# Altium PCB MT-PowerDispatch V1.0.0.PcbDoc (part 1 of 4)
Units mm, origin at the board's own origin, x right, y up, seen from the top; angles counter-clockwise.
Board outline 253.09 x 135 mm, 2 copper layers (Top Layer, Bottom Layer); 539 components, 347 nets, 1633 pads, 620 vias.
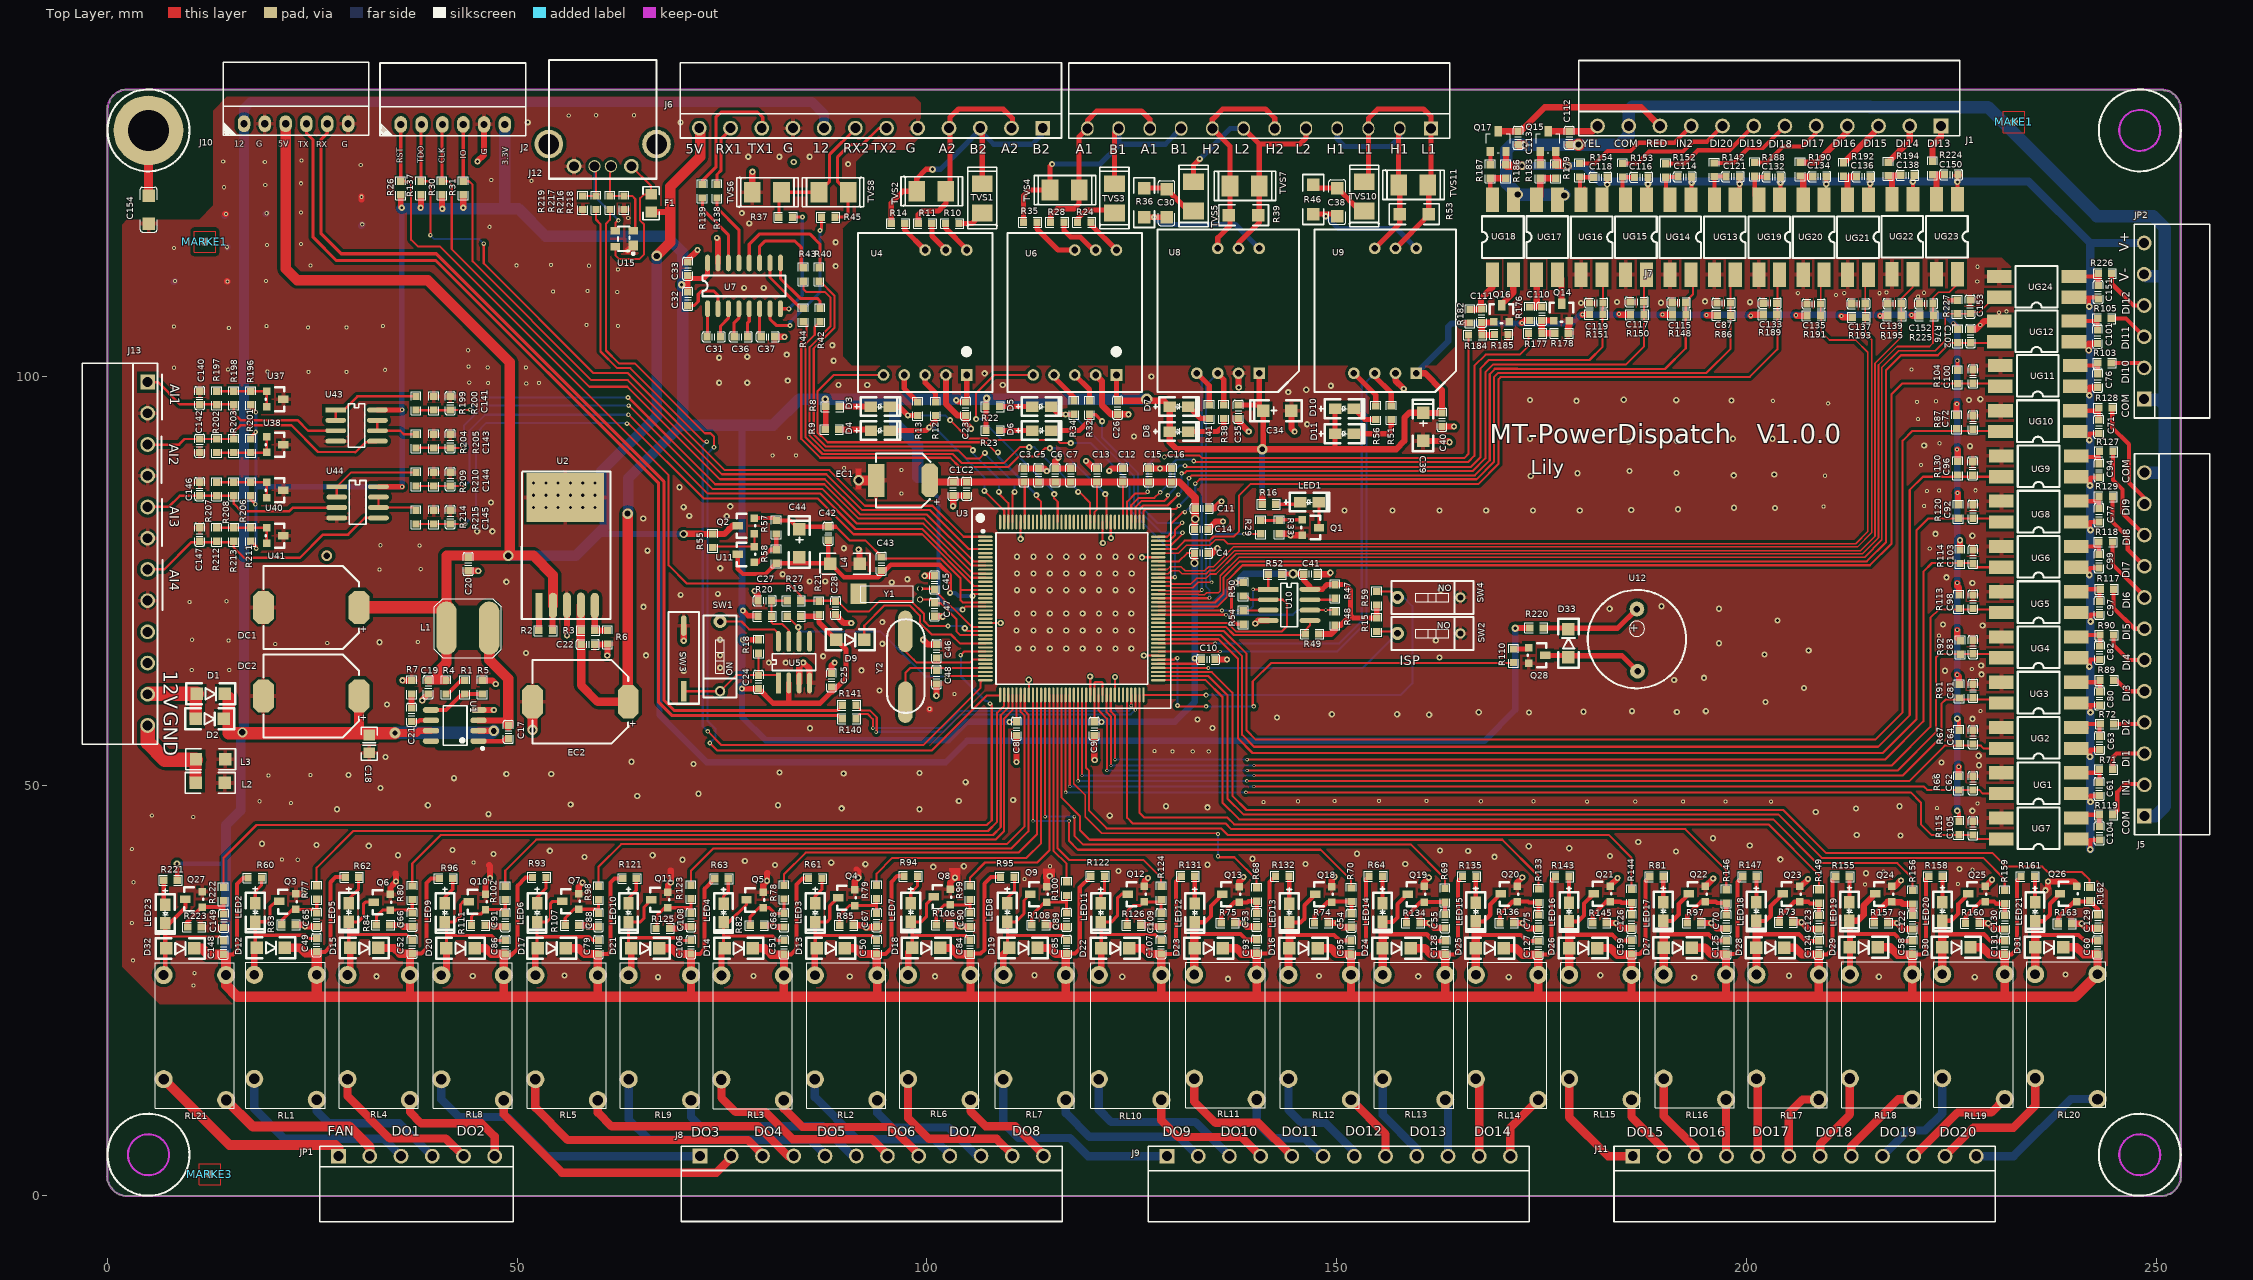
[diagram p0: Top Layer view]
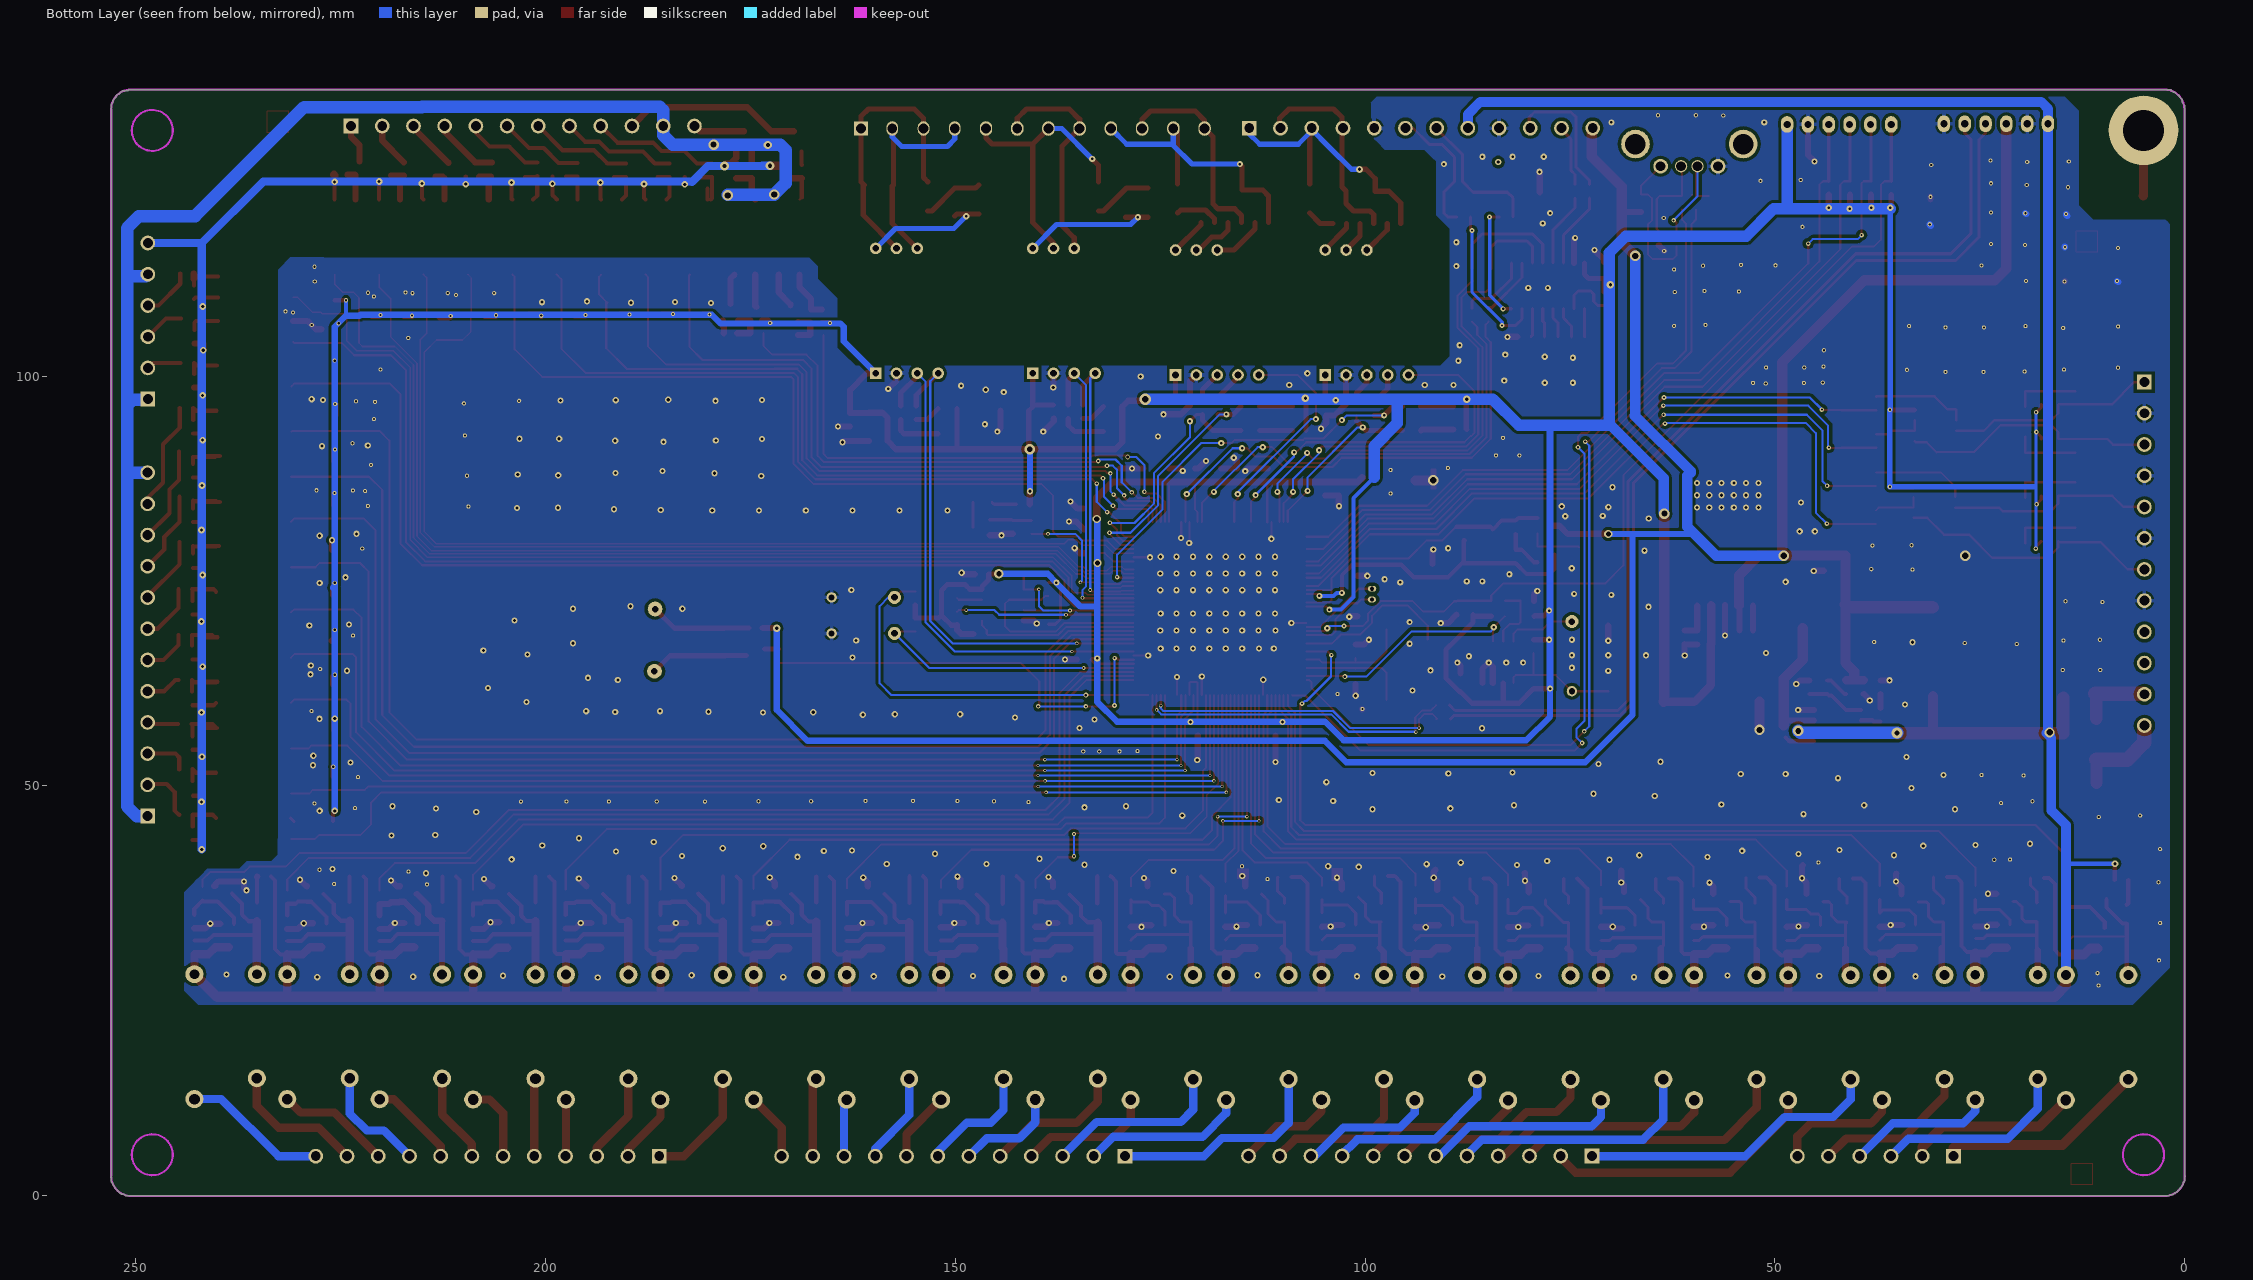
[diagram p1: Bottom Layer view, seen from below]

## Layer stack, top to bottom
Top Layer: signal copper 0.0356
Dielectric: dielectric 0.32, FR-4, Dk 4.8
Bottom Layer: signal copper 0.0356

## Board outline
2.413,134.976 2.159,134.976 2.108,134.925 2.083,134.95 2.007,134.95 1.676,134.95 1.549,134.823 1.397,134.671 1.219,134.671 1.194,134.671 0.965,134.442 0.813,134.29 0.66,134.29 0.66,134.137 0.508,133.985 0.254,133.731 0.254,133.655 0.254,133.35 0.076,133.172 0,133.096 0,132.588 0,132.004 -0.025,131.978 0,131.953 0,120.421 0,2.413 0,2.032 0,1.753 0.076,1.676 0.178,1.575 0.178,1.473 0.178,1.321 0.254,1.245 0.33,1.168 0.33,1.118 0.483,0.965 0.61,0.838 0.61,0.762 0.635,0.762 0.838,0.559 1.016,0.381 1.143,0.381 1.27,0.254 1.397,0.127 1.549,0.127 1.753,0.127 1.829,0.051 1.905,-0.025 2.134,-0.025 2.413,-0.025 4.166,-0.025 250.584,-0.025 250.609,0 251.054,0 251.257,0 251.308,0.051 251.409,0.152 251.562,0.152 251.714,0.152 251.79,0.229 251.892,0.33 251.917,0.33 251.968,0.33 252.095,0.457 252.222,0.584 252.349,0.711 252.552,0.914 252.552,0.965 252.552,1.041 252.679,1.168 252.832,1.321 252.832,1.397 252.832,1.524 252.933,1.626 253.009,1.702 253.009,1.93 253.009,2.159 253.06,2.21 253.012,2.258 253.012,2.403 253.012,132.579 253,132.591 253.009,132.6 253.009,133.071 253.009,133.198 252.908,133.299 252.806,133.401 252.806,133.528 252.806,133.68 252.654,133.833 252.451,134.036 252.451,134.087 252.451,134.163 252.349,134.264 252.12,134.493 251.993,134.493 251.689,134.798 251.638,134.849 251.384,134.849 251.003,134.849 250.876,134.976 250.628,134.976 2.413,134.976

## Design rules (kind name [scope] priority, off if disabled: settings)
AssemblyTestPointUsage [All] p1 off:
AssemblyTestpoint [All] p1 off: testpointundercomponent=TRUE minsize=1.016 maxsize=2.54 preferedsize=1.524 minholesize=0 maxholesize=1.016 preferedholesize=0.813 testpointgrid=0.025 usegrid=TRUE gridtolerance=0 allowsidetop=TRUE allowsidebottom=TRUE
Clearance Clearance_1 [INPolygon] p1: gap=0.381
Clearance [All] p2: gap=0.152
ComponentClearance [All] p1 off: gap=0.254 collisioncheckmode=3 verticalgap=0.254 showdistances=FALSE
DiffPairsRouting [All] p1: maxlimit=2.54 minlimit=0.203 mostfreqgap=0.254 maxuncoupledlength=12.7
FabricationTestPointUsage [All] p1 off: valid=0 allowmultiple=FALSE
FabricationTestpoint [All] p1 off: side=3 testpointundercomponent=TRUE minsize=1.016 maxsize=2.54 preferedsize=1.524 minholesize=0 maxholesize=1.016 preferedholesize=0.813 testpointgrid=0.025 allowsidetop=TRUE allowsidebottom=TRUE usegrid=TRUE gridtolerance=0
Height [All] p1 off: minheight=0 maxheight=25.4 prefheight=12.7
HoleSize [All] p1 off: absolutevalues=TRUE maxlimit=2.54 minlimit=0.025 maxpercent=80.000 minpercent=20.000
HoleToHoleClearance [All] p1 off: gap=0.254 allowstackedmicrovias=TRUE
LayerPairs [All] p1 off: enforce=TRUE
MinimumSolderMaskSliver [All] p1 off: minsoldermaskwidth=0.254
NetAntennae [All] p1 off: netantennaetolerance=0
PlaneConnect [All] p1: planeconnectstyle=Direct reliefexpansion=0.508 reliefentries=4 reliefconductorwidth=0.254 reliefairgap=0.254
PolygonConnect [IsVia] p1: connectstyle=Direct reliefconductorwidth=0.254 reliefentries=4 polygonreliefangle="90 Angle" airgapwidth=0.254
PolygonConnect PolygonConnect_1 [All] p2: connectstyle=Relief reliefconductorwidth=0.508 reliefentries=4 polygonreliefangle="90 Angle" airgapwidth=0.254
RoutingVias [All] p1: holewidth=0.254 width=0.61 viastyle="Through Hole" minholewidth=0.203 minwidth=0.305 maxholewidth=1.27 maxwidth=2.032
SilkToSilkClearance [All] p1 off: silktosilkclearance=0.254
SilkToSolderMaskClearance [IsPad] p1 off: minsilkscreentomaskgap=0.254 clearancetoexposedcopper=TRUE
SolderMaskExpansion [All] p1: expansion=0.102
Width [All] p1: maxlimit=2.54 minlimit=0.127 preferedwidth=0.254
13 further rules are at their usual default settings.

## Components (designator, comment, footprint, x,y, rotation, side; value= is the part's Value field where it differs from the comment)
C1 "104" 0603C 103.206,86.265 r270 top
C2 "104" 0603C 104.857,86.265 r270 top
C3 "104" 0603C 111.842,87.916 r90 top
C4 "104" 0603C 133.483,78.41 r0 top
C5 "104" 0603C 113.62,87.916 r90 top
C6 "104" 0603C 115.652,87.916 r90 top
C7 "104" 0603C 117.557,87.916 r90 top
C8 "104" 0603C 110.927,56.998 r270 top
C9 "104" 0603C 120.427,56.998 r270 top
C10 "104" 0603C 134.321,65.437 r0 top
C11 "104" 0603C 133.559,83.852 r0 top
C12 "104" 0603C 123.907,87.916 r270 top
C13 "104" 0603C 120.732,87.916 r90 top
C14 "104" 0603C 133.483,81.331 r0 top
C15 "104" 0603C 127.082,87.916 r90 top
C16 "103" 0603C 129.876,87.916 r90 top
C17 "103" 0603C 48.926,56.598 r270 top
C18 "0.1uF" 0805C 31.928,54.077 r90 top
C19 "104" 0603C 39.147,62.059 r90 top
C20 "104" 0603C 44.024,77.089 r90 top
C21 "3.9nF" 0603C 37.115,58.693 r90 top
C22 "104" 0603C 58.629,67.259 r0 top
C23 "104" 0603C 104.73,96.044 r270 top
C24 "104" 0603C 79.457,62.702 r90 top
C25 "104" 0603C 88.347,62.897 r90 top
C26 "104" 0603C 123.272,96.171 r270 top
C27 "104" 0603C 80.219,72.608 r0 top
C28 "104" 0603C 88.855,71.719 r90 top
C30 "103/2KV/1206" 1206C 129.241,122.841 r270 top
C31 "0.1uF" 0603C 73.996,104.807 r180 top
C32 "0.1uF" 0603C 70.821,109.442 r90 top
C33 "1uF" 0603C 70.821,113.125 r270 top
C34 "10uF" CA1206 141.05,95.778 r180 top
C35 "104" 0603C 138.004,95.663 r270 top
C36 "0.1uF" 0603C 77.298,104.807 r180 top
C37 "0.1uF" 0603C 80.6,104.807 r180 top
C38 "103/2KV/1206" 1206C 150.069,119.539 r90 top
C39 "10uF/16V" CA1206 160.534,95.536 r90 top
C40 "0.1uF" 0603C 162.845,94.698 r90 top
C41 "104" 0603C 146.792,75.851 r0 top
C42 "104" 0603C 87.966,80.804 r270 top
C43 "104" 0603C 94.443,77.121 r270 top
C44 "10uF/16V" CA1206 84.398,81.314 r90 top
C45 "22P" 0603C 100.92,74.835 r90 top
C46 "22P" 0603C 101.174,66.453 r90 top
C47 "22P" 0603C 100.92,71.533 r270 top
C48 "22P" 0603C 101.174,63.278 r270 top
C49 "104" 0603C 25.507,30.582 r90 top
C50 "104" 0603C 93.859,30.334 r90 top
C51 "104" 0603C 82.556,30.309 r270 top
C52 "104" 0603C 37.191,30.36 r270 top
C53 "103" 0603C 140.239,33.655 r270 top
C54 "104" 0603C 151.796,33.579 r90 top
C55 "104" 0603C 163.226,33.503 r90 top
C58 "104" 0603C 220.249,30.277 r90 top
C59 "104" 0603C 185.984,30.328 r90 top
C60 "104" 0603C 242.855,30.302 r270 top
C61 "104" 0603C 243.053,49.632 r90 top
C62 "104" 0603C 227.66,50.343 r90 top
C63 "104" 0603C 243.103,55.245 r90 top
C64 "104" 0603C 227.66,55.956 r90 top
C65 "103" 0603C 25.533,33.687 r270 top
C66 "104" 0603C 37.191,33.662 r90 top
C67 "103" 0603C 93.859,33.636 r270 top
C68 "104" 0603C 82.556,33.611 r90 top
C70 "104" 0603C 197.541,33.426 r90 top
C71 "0.1uF" 0603C 243.002,93.828 r270 top
C72 "104" 0603C 227.66,94.361 r90 top
C75 "104" 0603C 174.631,33.426 r90 top
C76 "0.1uF" 0603C 242.875,99.466 r270 top
C77 "0.1uF" 0603C 243.027,83.033 r270 top
C79 "104" 0603C 59.924,30.334 r90 top
C80 "104" 0603C 243.103,60.681 r90 top
C81 "104" 0603C 227.66,61.595 r90 top
C82 "104" 0603C 243.103,66.269 r90 top
C83 "104" 0603C 227.66,66.954 r90 top
C84 "104" 0603C 105.263,30.36 r270 top
C85 "104" 0603C 117.049,30.36 r270 top
C86 "104" 0603C 48.545,30.334 r270 top
C87 "104" 0603C 197.231,108.941 r180 top
C88 "103" 0603C 59.924,33.636 r270 top
C89 "104" 0603C 117.049,33.662 r90 top
C90 "104" 0603C 105.263,33.662 r90 top
C91 "104" 0603C 48.545,33.636 r90 top
C92 "104" 0603C 227.66,83.49 r90 top
C93 "104" 0603C 140.239,30.404 r90 top
C94 "0.1uF" 0603C 243.027,88.494 r270 top
C95 "104" 0603C 151.745,30.302 r270 top
C96 "104" 0603C 227.609,88.748 r90 top
C97 "0.1uF" 0603C 243.078,71.73 r270 top
C98 "104" 0603C 227.66,72.492 r90 top
C99 "0.1uF" 0603C 243.027,77.419 r270 top
C100 "104" 0603C 227.66,99.974 r90 top
C101 "0.1uF" 0603C 242.849,104.826 r270 top
C102 "104" 0603C 227.355,104.902 r90 top
C103 "104" 0603C 227.66,77.959 r90 top
C104 "0.1uF" 0603C 243.078,44.221 r270 top
C105 "104" 0603C 227.66,44.831 r90 top
C106 "104" 0603C 71.202,30.334 r270 top
C107 "104" 0603C 128.58,30.334 r270 top
C108 "104" 0603C 71.202,33.636 r90 top
C109 "104" 0603C 128.58,33.636 r90 top
C110 "0.1uF" 0603C 175.037,107.62 r270 top
C111 "0.1uF" 0603C 167.691,107.391 r270 top
C112 "0.1uF" 0603C 178.39,129.083 r270 top
C113 "0.1uF" 0603C 172.141,129.083 r270 top
C114 "0.1uF" 0603C 192.487,124.333 r0 top
C115 "104" 0603C 191.77,108.966 r180 top
C116 "0.1uF" 0603C 187.173,124.282 r0 top
C117 "104" 0603C 186.639,109.068 r180 top
C118 "0.1uF" 0603C 182.194,124.282 r0 top
C119 "104" 0603C 181.686,108.941 r180 top
C121 "0.1uF" 0603C 198.349,124.358 r0 top
C122 "103" 0603C 220.274,33.376 r270 top
C123 "104" 0603C 208.844,33.376 r90 top
C124 "104" 0603C 208.844,30.277 r270 top
C125 "104" 0603C 197.541,30.302 r270 top
C126 "103" 0603C 185.984,33.452 r270 top
C127 "104" 0603C 174.605,30.251 r270 top
C128 "104" 0603C 163.251,30.277 r270 top
C129 "104" 0603C 242.88,33.452 r90 top
C130 "104" 0603C 231.527,33.376 r90 top
C131 "104" 0603C 231.527,30.277 r270 top
C132 "0.1uF" 0603C 203.327,124.333 r0 top
C133 "104" 0603C 202.87,108.915 r180 top
C134 "0.1uF" 0603C 208.915,124.358 r0 top
C135 "104" 0603C 208.229,108.814 r180 top
C136 "0.1uF" 0603C 214.274,124.358 r0 top
C137 "104" 0603C 213.69,108.839 r180 top
C138 "0.1uF" 0603C 219.659,124.511 r0 top
C139 "104" 0603C 218.084,108.864 r180 top
C140 "103" 0603C 11.252,97.342 r270 top
C141 "103" 0603C 41.834,96.698 r270 top
C142 "103" 0603C 11.252,91.515 r90 top
C143 "103" 0603C 41.834,92.075 r270 top
C144 "103" 0603C 41.834,87.435 r270 top
C145 "103" 0603C 41.834,82.804 r270 top
C146 "103" 0603C 11.252,86.233 r270 top
C147 "103" 0603C 11.252,80.68 r270 top
C148 "104" 0603C 14.148,30.277 r270 top
C149 "104" 0603C 14.199,33.553 r90 top
C150 "0.1uF" 0603C 224.993,124.587 r0 top
C151 "0.1uF" 0603C 242.926,110.261 r270 top
C152 "104" 0603C 221.945,108.864 r180 top
C153 "104" 0603C 227.305,108.483 r90 top
C154 "102/2KV/1206" 1206C 5.029,118.618 r90 top
D1 "1N4007" 1206D 12.598,61.265 r0 top
D2 "1N4007" 1206D 12.471,58.217 r0 top
D3 "GREEN" D0805 93.171,96.307 r90 top
D4 "RED" D0805 93.173,93.377 r90 top
D5 "GREEN" D0805 112.856,96.307 r90 top
D6 "RED" D0805 112.858,93.377 r90 top
D7 "GREEN" D0805 129.62,96.307 r90 top
D8 "RED" D0805 129.62,93.259 r90 top
D9 "1N4148" 1206D 90.633,67.85 r0 top
D10 "GREEN" D0805 149.813,96.053 r90 top
D11 "RED" D0805 149.815,92.996 r90 top
D12 "1N4007" 1206D 19.945,30.258 r0 top
D13 "1N4007" 1206D 88.271,30.207 r0 top
D14 "1N4007" 1206D 77.031,30.182 r0 top
D15 "1N4007" 1206D 31.349,30.233 r0 top
D16 "1N4007" 1206D 145.954,30.201 r0 top
D17 "1N4007" 1206D 54.209,30.207 r0 top
D18 "1N4007" 1206D 99.929,30.233 r0 top
D19 "1N4007" 1206D 111.778,30.233 r0 top
D20 "1N4007" 1206D 43.084,30.207 r0 top
D21 "1N4007" 1206D 65.614,30.207 r0 top
D22 "1N4007" 1206D 122.992,30.207 r0 top
D23 "1N4007" 1206D 134.397,30.207 r0 top
D24 "1N4007" 1206D 157.308,30.201 r0 top
D25 "1N4007" 1206D 168.687,30.201 r0 top
D26 "1N4007" 1206D 180.092,30.226 r0 top
D27 "1N4007" 1206D 191.623,30.277 r0 top
D28 "1N4007" 1206D 202.926,30.277 r0 top
D29 "1N4007" 1206D 214.305,30.302 r0 top
D30 "1N4007" 1206D 225.634,30.302 r0 top
D31 "1N4007" 1206D 236.937,30.302 r0 top
D32 "1N4007" 1206D 8.89,30.175 r0 top
D33 "1N4148" 1206D 178.283,67.412 r90 top
DC1 "470uF/35V" C470UF25VEJ 30.709,60.985 r180 top
DC2 "470uF/35V" C470UF25VEJ 30.709,71.78 r180 top
EC1 "100uF/16V" C100UF16VEJ 100.359,87.29 r180 top
EC2 "470uF,25V" C470UF25VEJ 63.556,60.274 r180 top
F1 "0.5A/0805" 0805R 66.345,120.04 r90 top
J1 "J?" KF2EDG-12P-3.81mm#1 202.794,130.531 r180 top
J2 "CON6" CON6-2.54mm-90 35.794,130.734 r0 top locked
J5 "J?" KF2EDG-12P-3.81mm#1 248.564,67.285 r90 top locked
J6 "J?" KF2EDG-12P-3.81mm#1 93.173,130.277 r180 top
J7 "J?" KF2EDG-12P-3.81mm#2 161.499,130.234 r180 top
J8 "J?" KF2EDG-12P-3.81mm#1 93.274,4.851 r0 top
J9 "J?" KF2EDG-12P-3.81mm#1 150.247,4.826 r0 top
J10 "CON6" CON6-2.54mm-90 16.662,130.81 r0 top
J11 "J?" KF2EDG-12P-3.81mm#1 207.092,4.826 r0 top
J12 "CON5" USB-A 63.932,125.628 r180 top
J13 "J?" KF2EDG-12P-3.81mm#1 4.902,78.334 r270 top
JP1 "3.81MM-6P" CON-3.81MM-6P 37.725,4.826 r0 top
JP2 "3.81MM-6P" CON-3.81MM-6P 248.539,106.734 r90 top locked
L1 "22uH" LC7*7*3_L 43.973,69.266 r180 top
L2 "1uH" 1206R 10.744,50.368 r0 top
L3 "1uH" 1206R 10.795,53.264 r0 top
L4 "1uH" 1206R 88.211,77.122 r0 top
LED1 "GREEN" D0805 145.545,84.648 r90 top
LED2 "GREEN" D0805 18.048,35.719 r0 top
LED3 "GREEN" D0805 86.374,35.668 r0 top
LED4 "GREEN" D0805 75.19,35.643 r0 top
LED5 "GREEN" D0805 29.453,35.694 r0 top
LED6 "GREEN" D0805 52.44,35.668 r0 top
LED7 "GREEN" D0805 98.033,35.694 r0 top
LED8 "GREEN" D0805 109.818,35.694 r0 top
LED9 "GREEN" D0805 41.188,35.668 r0 top
LED10 "GREEN" D0805 63.59,35.67 r0 top
LED11 "GREEN" D0805 121.223,35.668 r0 top
LED12 "GREEN" D0805 132.695,35.662 r0 top
LED13 "GREEN" D0805 144.227,35.636 r0 top
LED14 "GREEN" D0805 155.606,35.712 r0 top
LED15 "RED" D0805 166.985,35.763 r0 top
LED16 "GREEN" D0805 178.364,35.763 r0 top
LED17 "GREEN" D0805 189.871,35.814 r0 top
LED18 "GREEN" D0805 201.224,35.814 r0 top
LED19 "GREEN" D0805 212.578,35.839 r0 top
LED20 "GREEN" D0805 223.932,35.839 r0 top
LED21 "GREEN" D0805 235.235,35.789 r0 top
LED23 "GREEN" D0805 7.061,35.509 r0 top
MAKE1 "MARK1.0" MARK1.0 232.644,131.039 r90 top
MARKE1 "MARK1.0" MARK1.0 11.887,116.408 r90 top
MARKE3 "MARK1.0" MARK1.0 12.497,2.616 r90 top
Q1 "8050" SOT23#1 145.802,82.48 r270 top
Q2 "8050" SOT23#1 78.958,80.804 r90 top
Q3 "8050" SOT23#1 22.993,34.957 r90 top
Q4 "8050" SOT23#1 91.2,35.427 r90 top
Q5 "8050" SOT23#1 80.024,35.147 r90 top
Q6 "8050" SOT23#1 34.533,34.868 r90 top
Q7 "8050" SOT23#1 57.52,34.97 r90 top
Q8 "8050" SOT23#1 102.859,35.503 r90 top
Q9 "8050" SOT23#1 114.645,35.833 r90 top
Q10 "8050" SOT23#1 46.141,34.919 r90 top
Q11 "8050" SOT23#1 68.408,35.16 r90 top
Q12 "8050" SOT23#1 126.557,35.859 r90 top
Q13 "8050" SOT23#2 138.105,35.814 r90 top
Q14 "8050" SOT23#2 176.485,106.782 r0 top
Q15 "AO3407" SOT-23L 174.834,127.406 r0 top
Q16 "8050" SOT23#2 169.164,106.604 r0 top
Q17 "AO3407" SOT-23L 168.763,127.406 r0 top
Q18 "8050" SOT23#2 149.434,35.814 r90 top
Q19 "8050" SOT23#2 160.711,35.839 r90 top
Q20 "8050" SOT23#2 172.065,35.865 r90 top
Q21 "8050" SOT23#2 183.419,35.89 r90 top
Q22 "8050" SOT23#2 195.027,35.865 r90 top
Q23 "8050" SOT23#2 206.508,35.865 r90 top
Q24 "8050" SOT23#2 217.785,35.865 r90 top
Q25 "8050" SOT23#2 229.139,35.865 r90 top
Q26 "8050" SOT23#2 240.315,35.89 r90 top
Q27 "8050" SOT23#1 11.557,35.23 r90 top
Q28 "8050" SOT23#1 173.431,66.878 r270 top
R1 "1.2kΩ" 0603R 43.592,62.059 r270 top
R2 "4K7" 0603R 53.473,68.961 r180 top
R3 "2K/1%" 0603R 58.654,68.968 r180 top
R4 "43k" 0603R 41.306,62.059 r270 top
R5 "10k" 0603R 45.751,62.059 r90 top
R6 "1.2K/1%" 0603R 61.016,68.148 r90 top
R7 "6.8k" 0603R 37.115,62.059 r90 top
R8 "2K" 0603R 88.474,96.298 r180 top
R9 "2K" 0603R 88.41,93.504 r180 top
R10 "10R" 0603R 103.079,118.65 r0 top
R11 "10R" 0603R 99.777,118.65 r180 top